# Altium PCB iMX6 Rex Development Baseboard V1I1_PCB.PcbDoc (part 1 of 6) (continued)
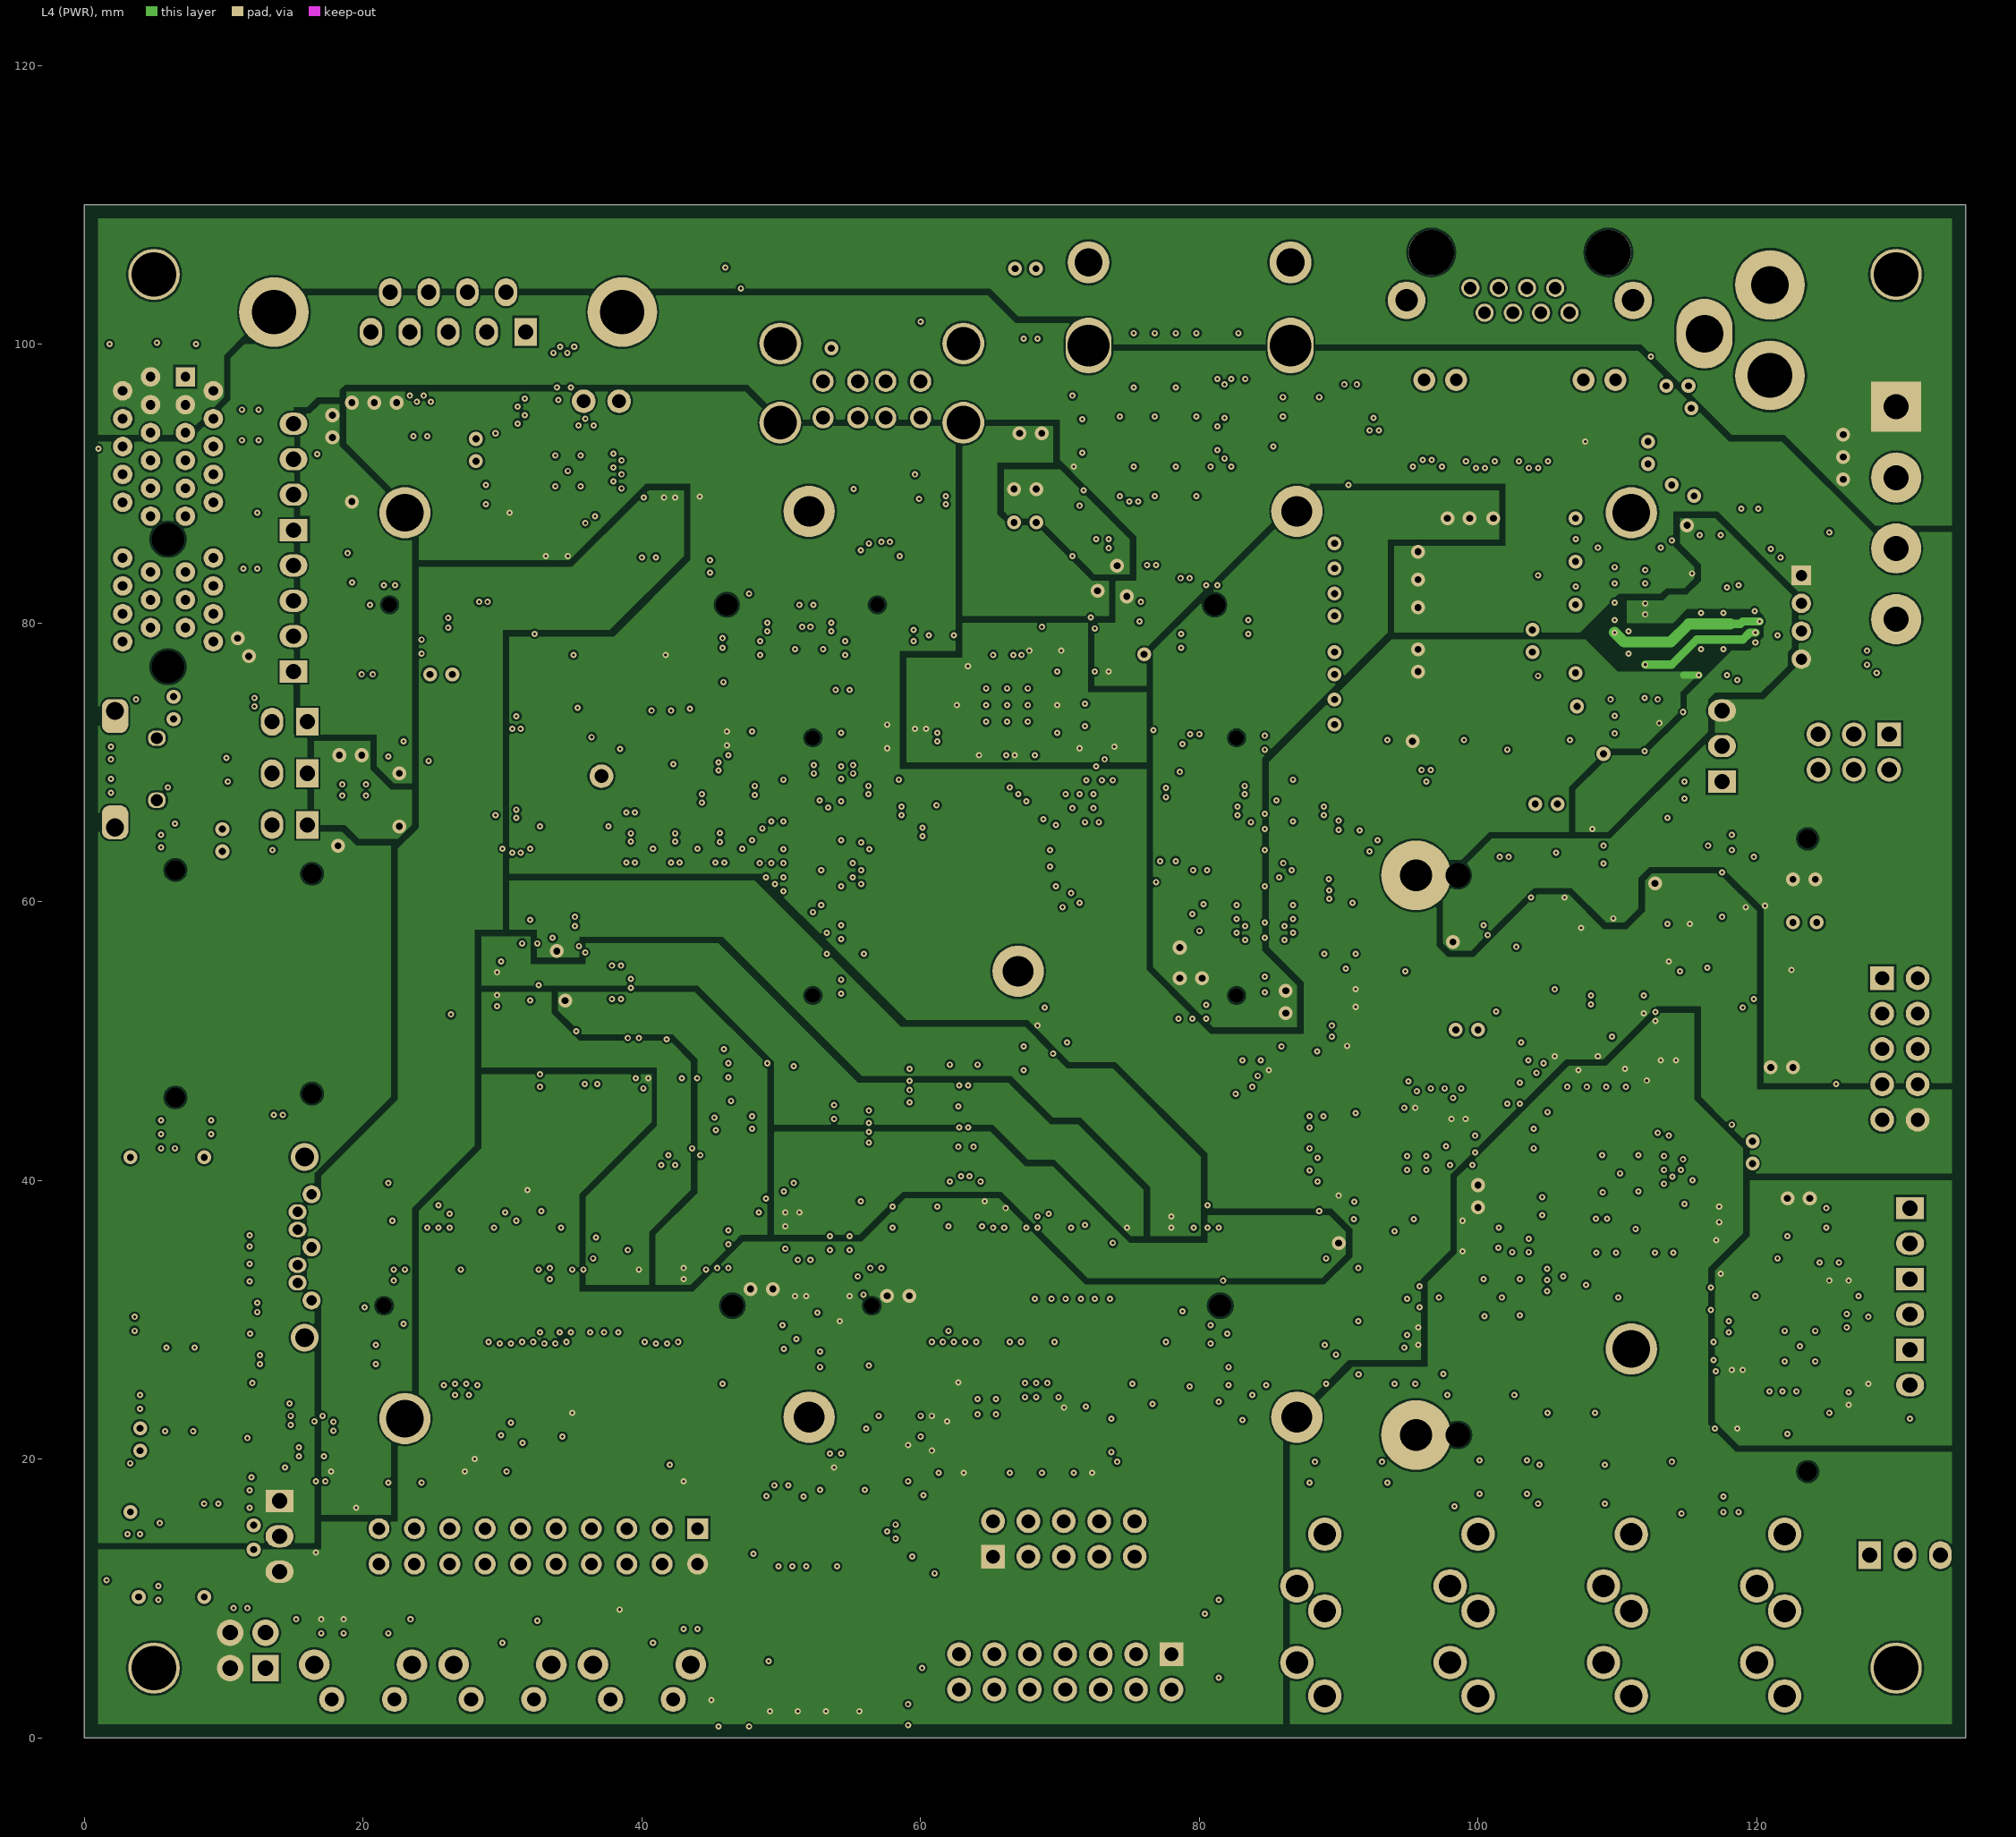
[diagram p4: L4 (PWR)]
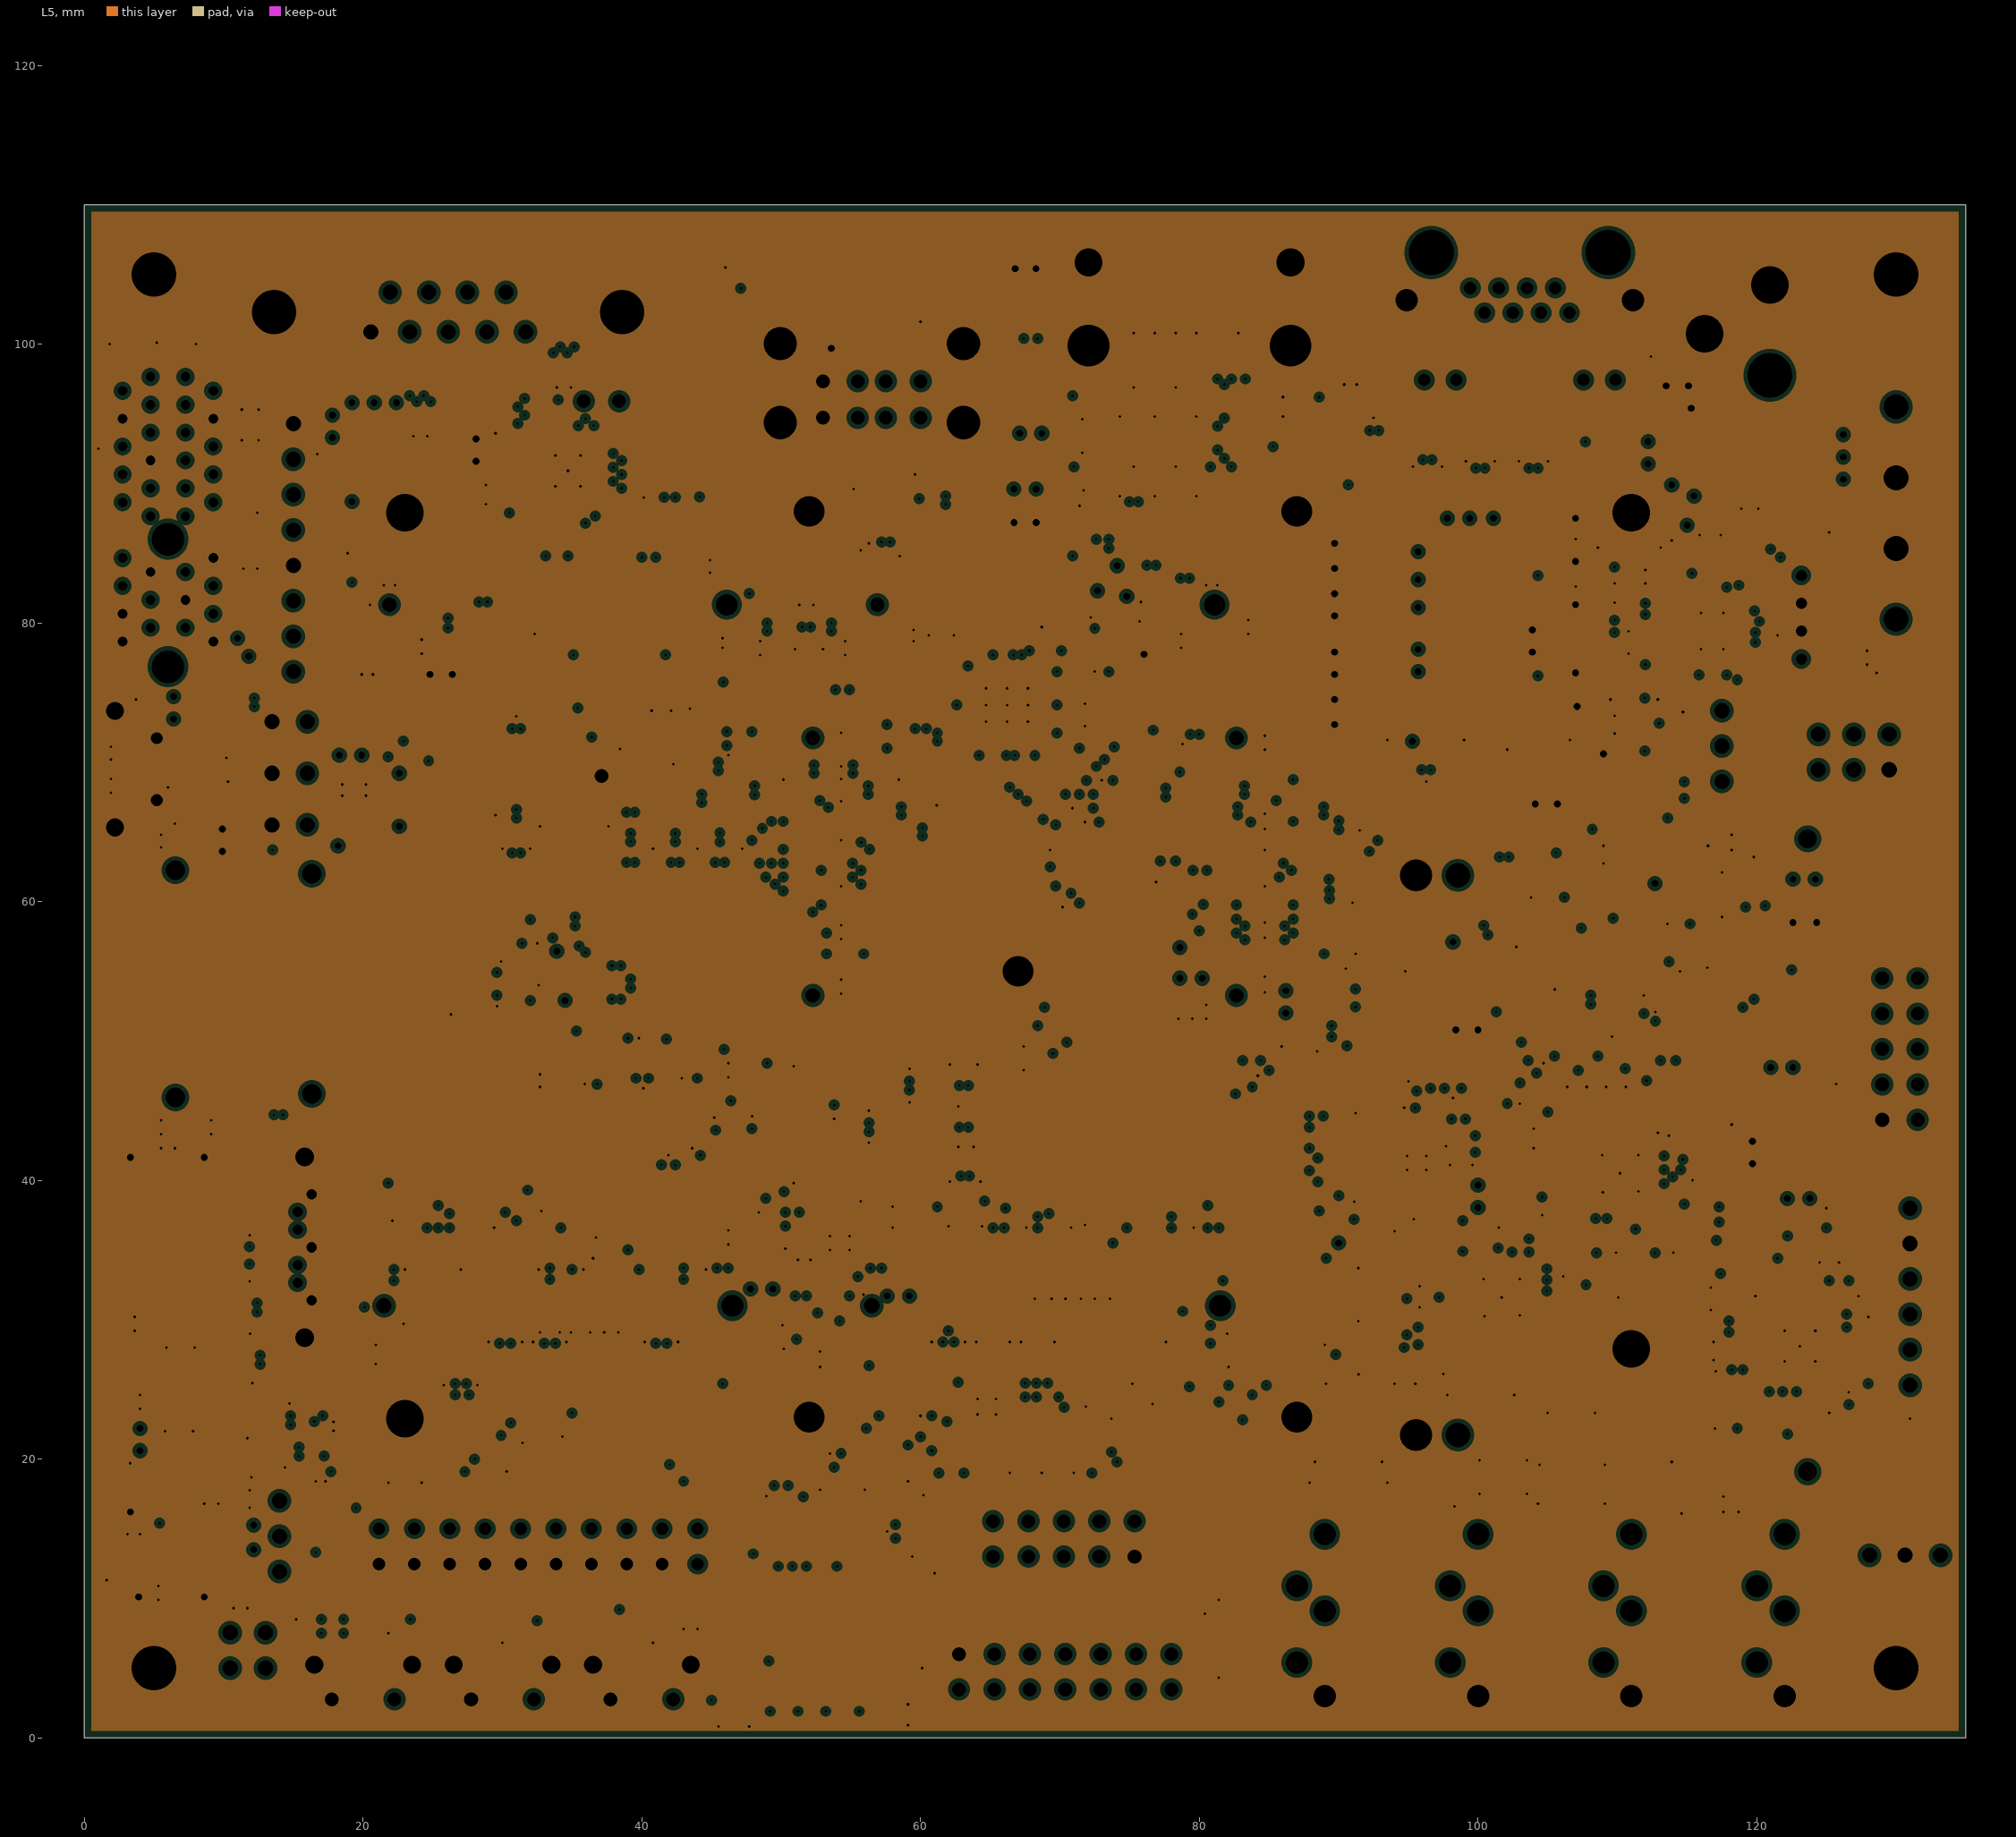
[diagram p5: L5, clearances drawn from the general rule]

## Layer stack, top to bottom
Top Solder: solder mask 0.0102, Solder Resist, Dk 3.5
L1: signal copper 0.018
Dielectric1: core 0.1725, DE 104 ML, Dk 4.4
L2: plane copper 0.018, net GND
Dielectric4: prepreg 0.196, DE 104 ML, Dk 4.4
L3: signal copper 0.018
Dielectric2: core 0.697, DE 104 ML, Dk 4.4
L4 (PWR): signal copper 0.018
Dielectric3: prepreg 0.196, DE 104 ML, Dk 4.4
L5: plane copper 0.018, net GND
Dielectric5: core 0.1725, DE 104 ML, Dk 4.4
L6: signal copper 0.018
Bottom Solder: solder mask 0.0102, Solder Resist, Dk 3.5

## Board outline
0,110 0,0 135,0 135,110 0,110

## Design rules (kind name [scope] priority, off if disabled: settings)
Clearance "Poly PWR to Via" [IsRegion AND OnLayer('L4 (PWR)') vs IsVia] p1: gap=0.15
Clearance "Poly to Poly" [IsRegion AND OnLayer('L4 (PWR)') vs IsRegion] p2: gap=0.4
Clearance [All] p3: gap=0.15
ComponentClearance "MH5 to FID4" [All] p1: gap=0 collisioncheckmode=3 verticalgap=0 showdistances=FALSE
ComponentClearance "DB9 to FID1" [InComponent('J30') vs InComponent('FID1')] p2: gap=0 collisioncheckmode=3 verticalgap=0 showdistances=FALSE
ComponentClearance "3D model Module" [InComponent('M1') vs InComponent('J1') or InComponent('J2')] p3: gap=0 collisioncheckmode=3 verticalgap=0 showdistances=FALSE
ComponentClearance "3D model mPCIe 1 to Battery" [InComponent('CR1') vs InComponent('J32')] p4: gap=0 collisioncheckmode=3 verticalgap=0 showdistances=FALSE
ComponentClearance "CFAST locker" [InComponent('CFAST1') vs InComponent('J15')] p5: gap=0 collisioncheckmode=3 verticalgap=0 showdistances=FALSE
ComponentClearance "3D model mPCIe 2" [InComponent('CR2') vs InComponent('J9') or InComponent('J8')] p6: gap=0 collisioncheckmode=3 verticalgap=0 showdistances=FALSE
ComponentClearance "3D model mPCIe 1" [InComponent('CR1') vs InComponent('J4') or InComponent('J6')] p7: gap=0 collisioncheckmode=3 verticalgap=0 showdistances=FALSE
ComponentClearance "res SATA_TX_P" [InComponent('R42') vs InComponent('R43')] p8: gap=0 collisioncheckmode=3 verticalgap=0.254 showdistances=FALSE
ComponentClearance "res SATA_TX_N" [InComponent('R40') vs InComponent('R41')] p9: gap=0 collisioncheckmode=3 verticalgap=0.254 showdistances=FALSE
ComponentClearance "res SATA_RX_P" [InComponent('R38') vs InComponent('R39')] p10: gap=0 collisioncheckmode=3 verticalgap=0.254 showdistances=FALSE
ComponentClearance "res SATA_RX_N" [InComponent('R36') vs InComponent('R37')] p11: gap=0 collisioncheckmode=3 verticalgap=0.254 showdistances=FALSE
ComponentClearance "res USB1_P" [InComponent('R68') vs InComponent('R69')] p12: gap=0 collisioncheckmode=3 verticalgap=0.254 showdistances=FALSE
ComponentClearance "res USB1_N" [InComponent('R64') vs InComponent('R66')] p13: gap=0 collisioncheckmode=3 verticalgap=0.254 showdistances=FALSE
ComponentClearance "res USB0_P" [InComponent('R65') vs InComponent('R67')] p14: gap=0 collisioncheckmode=3 verticalgap=0.254 showdistances=FALSE
ComponentClearance "res USB0_N" [InComponent('R62') vs InComponent('R63')] p15: gap=0 collisioncheckmode=3 verticalgap=0.254 showdistances=FALSE
ComponentClearance "res PCIE_TX_P" [InComponent('R14') vs InComponent('R16')] p16: gap=0 collisioncheckmode=3 verticalgap=0.254 showdistances=FALSE
ComponentClearance "res PCIE_TX_N" [InComponent('R10') vs InComponent('R12')] p17: gap=0 collisioncheckmode=3 verticalgap=0.254 showdistances=FALSE
ComponentClearance "res PCIE_RX_P" [InComponent('R8') vs InComponent('R9')] p18: gap=0 collisioncheckmode=3 verticalgap=0.254 showdistances=FALSE
ComponentClearance "res PCIE_RX_N" [InComponent('R5') vs InComponent('R7')] p19: gap=0 collisioncheckmode=3 verticalgap=0.254 showdistances=FALSE
ComponentClearance "res CLK_P" [InComponent('R3') vs InComponent('R4')] p20: gap=0 collisioncheckmode=3 verticalgap=0.254 showdistances=FALSE
ComponentClearance "res CLK_N" [InComponent('R2') vs InComponent('R1')] p21: gap=0 collisioncheckmode=3 verticalgap=0.254 showdistances=FALSE
ComponentClearance [All] p22: gap=0.2 collisioncheckmode=3 verticalgap=0.2 showdistances=FALSE
DiffPairsRouting DiffPair_DIFF100DiffPairsRouting [InDifferentialPairClass('DIFF100')] p1: maxlimit=0.501 minlimit=0.399 mostfreqgap=0.5 toplayer_maxgap=0.401 toplayer_prefgap=0.4 toplayer_minwidth=0.25 toplayer_maxwidth=0.25 toplayer_prefwidth=0.25 midlayer1_mingap=0.499 midlayer1_minwidth=0.2 midlayer1_maxwidth=0.2 midlayer1_prefwidth=0.2 midlayer2_mingap=0.4 midlayer2_maxgap=0.4 midlayer2_prefgap=0.4 midlayer2_minwidth=0.25 midlayer2_maxwidth=0.25 midlayer2_prefwidth=0.25 bottomlayer_maxgap=0.401 bottomlayer_prefgap=0.4 bottomlayer_minwidth=0.25 bottomlayer_maxwidth=0.25 bottomlayer_prefwidth=0.25 maxuncoupledlength=18.7
DiffPairsRouting DiffPair_DIFF90DiffPairsRouting [InDifferentialPairClass('DIFF90')] p2: maxlimit=0.251 minlimit=0.199 mostfreqgap=0.25 toplayer_maxgap=0.201 toplayer_prefgap=0.2 toplayer_minwidth=0.25 toplayer_maxwidth=0.25 toplayer_prefwidth=0.25 midlayer1_mingap=0.249 midlayer1_minwidth=0.2 midlayer1_maxwidth=0.2 midlayer1_prefwidth=0.2 midlayer2_mingap=0.2 midlayer2_maxgap=0.2 midlayer2_prefgap=0.2 midlayer2_minwidth=0.25 midlayer2_maxwidth=0.25 midlayer2_prefwidth=0.25 bottomlayer_maxgap=0.201 bottomlayer_prefgap=0.2 bottomlayer_minwidth=0.25 bottomlayer_maxwidth=0.25 bottomlayer_prefwidth=0.25 maxuncoupledlength=8.1
DiffPairsRouting [All] p3: maxlimit=0.2 minlimit=0.2 mostfreqgap=0.2 toplayer_minwidth=0.381 toplayer_maxwidth=0.381 toplayer_prefwidth=0.381 midlayer1_minwidth=0.381 midlayer1_maxwidth=0.381 midlayer1_prefwidth=0.381 midlayer2_minwidth=0.381 midlayer2_maxwidth=0.381 midlayer2_prefwidth=0.381 bottomlayer_minwidth=0.381 bottomlayer_maxwidth=0.381 bottomlayer_prefwidth=0.381 maxuncoupledlength=12.7
HoleSize [All] p1: absolutevalues=TRUE maxlimit=10 minlimit=0.2 maxpercent=80.000 minpercent=20.000
MatchedLengths DiffPair_DIFF100MatchedLengths [InDifferentialPairClass('DIFF100')] p1: tolerance=0.127 checknetsindiffpair=TRUE checkdiffpairvsdiffpair=FALSE checkothers=FALSE
MatchedLengths DiffPair_DIFF90MatchedLengths [InDifferentialPairClass('DIFF90')] p2: tolerance=0.127 checknetsindiffpair=TRUE checkdiffpairvsdiffpair=FALSE checkothers=FALSE
MinimumSolderMaskSliver [All] p1: minsoldermaskwidth=0.1
PlaneClearance [All] p1: clearance=0.3
PlaneConnect "GND to PAD" [(InNet('GND') and IsPad)] p1: planeconnectstyle=Relief reliefexpansion=0.3 reliefentries=4 reliefconductorwidth=0.5 reliefairgap=0.2
PlaneConnect [All] p2: planeconnectstyle=Direct reliefexpansion=0.2 reliefentries=4 reliefconductorwidth=0.3 reliefairgap=0.2
PolygonConnect [All] p1: connectstyle=Direct reliefconductorwidth=0.254 reliefentries=4 polygonreliefangle="90 Angle" airgapwidth=0.254
RoutingVias [All] p1: holewidth=0.2 width=0.45 viastyle="Through Hole" minholewidth=0.2 minwidth=0.45 maxholewidth=0.5 maxwidth=1
ShortCircuit "J15-H3 to J15-H4" [(Name = 'J15-H3') vs (Name = 'J15-H4')] p1: allowed=TRUE
ShortCircuit "J15-H1 to J15-H2" [(Name = 'J15-H1') vs (Name = 'J15-H2')] p2: allowed=TRUE
ShortCircuit [All] p3: allowed=FALSE
SilkToSilkClearance [All] p1: silktosilkclearance=0.1
SilkToSolderMaskClearance SilkscreenOverComponentPads [IsPad] p1: minsilkscreentomaskgap=0.1 clearancetoexposedcopper=TRUE
SolderMaskExpansion [All] p1: expansion=0.102
UnpouredPolygon [All] p1: allowunpoured=FALSE
Width DiffPair_DIFF100Width [InDifferentialPairClass('DIFF100')] p1: maxlimit=0.25 minlimit=0.2 preferedwidth=0.25 toplayer_minwidth=0.25 midlayer1_maxwidth=0.2 midlayer1_prefwidth=0.2 midlayer2_minwidth=0.25 bottomlayer_minwidth=0.25 minimp=50.000000 maximp=50.000000 favimp=50.000000
Width DiffPair_DIFF90Width [InDifferentialPairClass('DIFF90')] p2: maxlimit=0.25 minlimit=0.2 preferedwidth=0.25 toplayer_minwidth=0.25 midlayer1_maxwidth=0.2 midlayer1_prefwidth=0.2 midlayer2_minwidth=0.25 bottomlayer_minwidth=0.25 minimp=50.000000 maximp=50.000000 favimp=50.000000
Width "Width Power" [InNet('+VIN') OR InNet('+5V') OR InNet('+3V3') OR InNet('+1V5') OR InNet('+12V_ATX')] p3: maxlimit=4 minlimit=0.2 preferedwidth=0.4
Width "Width Ground" [InNet('GND')] p4: maxlimit=40 minlimit=0.2 preferedwidth=0.4
Width [All] p5: maxlimit=2 minlimit=0.2 preferedwidth=0.25
20 further rules are at their usual default settings.

## Classes and differential pairs
differential pair class DIFF100: CLK1 HDMI_CLK HDMI_D0 HDMI_D1 HDMI_D2 LVDS0_CLK LVDS0_TX0 LVDS0_TX1 LVDS0_TX2 LVDS0_TX3 MPCIE1_CLK1 MX0 MX1 MX2 MX3 PCIE_CON_CLK1 SATA_CFAST_RX SATA_CFAST_TX SATA_CON_RX SATA_CON_TX SATA_RX SATA_TX TRD0 TRD1 TRD2 TRD3
differential pair class DIFF90: MPCIE1_RX MPCIE1_TX PCIE_CON_RX PCIE_CON_TX PCIE_RX PCIE_TX USB0 USB1 USB1_CON USB1_L USB_MPCIE1 USB_MPCIE1_CON USB_MPCIE2 USB_MPCIE2_CON USB_OTG USB_OTG_CON USB_UP USBDN1 USBDN1_CON USBDN2 USBDN2_CON USBDN3 USBDN3_CON
net class SPI2: CSPI2_CLK CSPI2_CS0 CSPI2_MISO CSPI2_MOSI
net class SIM2: +MPCIE2_SIM_PWR +MPCIE2_SIM_VPP MPCIE2_SIM_CLK MPCIE2_SIM_DATA MPCIE2_SIM_RST
net class SIM1: +MPCIE1_SIM_PWR +MPCIE1_SIM_VPP MPCIE1_SIM_CLK MPCIE1_SIM_DATA MPCIE1_SIM_RST
net class I2C2: I2C2_SCL I2C2_SDA
net class Audio2: AUD2_I2C2_SCL AUD2_I2C2_SDA AUD2_IRQ MPCIE2_12M_CLK MPCIE2_PCM_CLK MPCIE2_PCM_RX MPCIE2_PCM_SYNC MPCIE2_PCM_TX
net class USB1: USB1_CON_N USB1_CON_P USB1_L_N USB1_L_P USB1_N USB1_P USB_MPCIE1_CON_N USB_MPCIE1_CON_P USB_MPCIE1_N USB_MPCIE1_P
net class USB0: USB0_ID USB0_N USB0_P USB_MPCIE2_CON_N USB_MPCIE2_CON_P USB_MPCIE2_N USB_MPCIE2_P USB_OTG_CON_N USB_OTG_CON_P USB_OTG_N USB_OTG_P USB_UP_N USB_UP_P USBDN1_CON_N USBDN1_CON_P USBDN1_N USBDN1_OC USBDN1_P USBDN1_PWR_EN USBDN2_CON_N USBDN2_CON_P USBDN2_N USBDN2_OC USBDN2_P USBDN2_PWR_EN USBDN3_CON_N USBDN3_CON_P USBDN3_N USBDN3_OC USBDN3_P USBDN3_PWR_EN
net class UART1: RS232_CTS_CON RS232_CTS_L RS232_DCD_CON RS232_DCD_L RS232_DSR_CON RS232_DSR_L RS232_DTR_CON RS232_DTR_L RS232_RI_CON RS232_RI_L RS232_RTS_CON RS232_RTS_L RS232_RXD_CON RS232_RXD_L RS232_TXD_CON RS232_TXD_L UART1_CTS UART1_DCD UART1_DSR UART1_DTR UART1_RI UART1_RTS UART1_RXD UART1_TXD
net class SATA: SATA_CFAST_RX_N SATA_CFAST_RX_P SATA_CFAST_TX_N SATA_CFAST_TX_P SATA_CON_RX_N SATA_CON_RX_P SATA_CON_TX_N SATA_CON_TX_P SATA_RX_N SATA_RX_P SATA_TX_N SATA_TX_P
net class PHY: TRD0_N TRD0_P TRD1_N TRD1_P TRD2_N TRD2_P TRD3_N TRD3_P
net class PCIE: CLK1_N CLK1_P MPCIE1_CLK1_N MPCIE1_CLK1_P MPCIE1_RX_N MPCIE1_RX_P MPCIE1_TX_N MPCIE1_TX_P PCIE_CON_CLK1_N PCIE_CON_CLK1_P PCIE_CON_RX_N PCIE_CON_RX_P PCIE_CON_TX_N PCIE_CON_TX_P PCIE_RX_N PCIE_RX_P PCIE_TX_N PCIE_TX_P
net class LVDS: LVDS0_CLK_N LVDS0_CLK_P LVDS0_TX0_N LVDS0_TX0_P LVDS0_TX1_N LVDS0_TX1_P LVDS0_TX2_N LVDS0_TX2_P LVDS0_TX3_N LVDS0_TX3_P
net class HDMI: HDMI_CEC_CON HDMI_CEC_IN HDMI_CLK_N HDMI_CLK_P HDMI_D0_N HDMI_D0_P HDMI_D1_N HDMI_D1_P HDMI_D2_N HDMI_D2_P HDMI_HPD HDMI_HPD_CON HDMI_SCL_CON HDMI_SCL_CON_R HDMI_SDA_CON HDMI_SDA_CON_R I2C2_SCL I2C2_SDA
net class DIFF100: CLK1_N CLK1_P HDMI_CLK_N HDMI_CLK_P HDMI_D0_N HDMI_D0_P HDMI_D1_N HDMI_D1_P HDMI_D2_N HDMI_D2_P LVDS0_CLK_N LVDS0_CLK_P LVDS0_TX0_N LVDS0_TX0_P LVDS0_TX1_N LVDS0_TX1_P LVDS0_TX2_N LVDS0_TX2_P LVDS0_TX3_N LVDS0_TX3_P MPCIE1_CLK1_N MPCIE1_CLK1_P MX0_N MX0_P MX1_N MX1_P MX2_N MX2_P MX3_N MX3_P PCIE_CON_CLK1_N PCIE_CON_CLK1_P SATA_CFAST_RX_N SATA_CFAST_RX_P SATA_CFAST_TX_N SATA_CFAST_TX_P SATA_CON_RX_N SATA_CON_RX_P SATA_CON_TX_N SATA_CON_TX_P SATA_RX_N SATA_RX_P SATA_TX_N SATA_TX_P TRD0_N TRD0_P TRD1_N TRD1_P TRD2_N TRD2_P TRD3_N TRD3_P
net class DIFF90: MPCIE1_RX_N MPCIE1_RX_P MPCIE1_TX_N MPCIE1_TX_P PCIE_CON_RX_N PCIE_CON_RX_P PCIE_CON_TX_N PCIE_CON_TX_P PCIE_RX_N PCIE_RX_P PCIE_TX_N PCIE_TX_P USB0_N USB0_P USB1_CON_N USB1_CON_P USB1_L_N USB1_L_P USB1_N USB1_P USB_MPCIE1_CON_N USB_MPCIE1_CON_P USB_MPCIE1_N USB_MPCIE1_P USB_MPCIE2_CON_N USB_MPCIE2_CON_P USB_MPCIE2_N USB_MPCIE2_P USB_OTG_CON_N USB_OTG_CON_P USB_OTG_N USB_OTG_P USB_UP_N USB_UP_P USBDN1_CON_N USBDN1_CON_P USBDN1_N USBDN1_P USBDN2_CON_N USBDN2_CON_P USBDN2_N USBDN2_P USBDN3_CON_N USBDN3_CON_P USBDN3_N USBDN3_P
component class "[17] - PWR IN, LEDS, BUTTONS, MECH": C196 C197 C198 C199 C200 C208 D16 D17 D18 D20 FID1 FID2 FID3 FID4 FID5 FID6 FID7 FID8 J37 J38 M1 MH5 MH6 MH7 MH8 MH9 MH10 MH11 MH12 MH13 PCB1 PCB2 Q4 Q5 R140 R141 R142 R143 R144 R145 R146 R147 R148 R149 R183 SW1 SW2 SW3 TP10
component class "[16] - POWERS 5V, 3V3": C179 C180 C181 C182 C183 C184 C185 C186 C187 C188 C189 C190 C191 C192 C193 C194 C195 C207 L8 L9 Q2 Q3 R123 R124 R125 R126 R127 R128 R129 R130 R131 R132 R133 R134 R135 R136 R137 R138 R139 R154 TP2 TP3 U15 U22
component class "[15] - MISC, JTAG, HEADERS": C156 C171 C172 C173 C174 C175 C176 C177 C178 C214 J33 J34 J35 J36 JP2 R117 R118 R119 R120 R121 R122 R175 R176 R177 R178 R179 R180 R181 R182 R187 U20 U21 U24
component class "[14] - RTC, EEPROM, GPIO, TOUCH SCREEN": BAT1 C150 C151 C152 C153 C154 C155 C167 C168 C169 C170 D15 D21 D22 J32 J40 Q7 Q8 Q9 R110 R111 R112 R113 R114 R115 R160 R161 R171 R172 R173 R174 R185 R186 U2 U17 U18 U19 Y3
component class "[13] - UARTS": C159 C160 C161 C162 C163 C164 C165 C166 FB20 FB21 J30 J31 Q6 R108 R109 U16
component class "[12] - SD": C157 C158 D14 J29 J39 JP3 Q1 R104 R105 R106 R107
component class "[11] - AUDIO1": C120 C121 C122 C123 C124 C125 C126 C127 C128 C129 C130 C131 C132 C133 C134 C135 C136 C137 C138 C139 C140 C141 C142 C143 C144 C145 C146 C147 C148 C149 FB8 FB9 FB10 FB11 FB12 FB13 FB14 FB15 FB16 FB17 FB18 FB26 J25 J26 J27 J28 R24 R88 R89 R90 R91 R92 R93 R94 R95 R96 R97 R98 R99 R100 R101 R102 U14
component class "[10] - ETHERNET": C114 C115 C116 C117 C118 C119 J24 R84 R85 R86 R87 T1
component class "[09] - USB": C85 C86 C87 C88 C89 C90 C91 C92 C93 C94 C95 C96 C97 C98 C99 C100 C101 C102 C103 C104 C105 C107 C109 C110 C111 C112 C113 D8 D9 D10 D11 D12 D13 D19 FB6 FB7 J20 J21 J22 J23 JP1 L3 L4 L5 L6 L7 LINK3 R23 R62 R63 R64 R65 R66 R67 R68 R69 R70 R71 R72 R74 R75 R76 R77 R78 R79 R80 R81 R82 R83 R169 R170 U11 U12 U13 Y2
component class "[08] - LVDS": C75 C76 C77 C78 C79 C80 C81 C82 C83 C84 C213 J17 J18 J19 J41 LINK1 LINK2 R51 R52 R53 R54 R55 R56 R57 R58 R59 R60 R61 R157 R158 R165 R166 R167 R168 U8 U9 U10 U23
component class "[07] - HDMI": C71 C72 C73 C74 C108 D7 J16 R46 R47 R48 R49 R50 R162 R163 R164 U7
component class "[06] - SATA, CFAST": C69 C70 CFAST1 J14 J15 R36 R37 R38 R39 R40 R41 R42 R43 R44 R45
component class "[05] - PCIE MINI 2, AUDIO2": C24 C25 C26 C27 C28 C29 C30 C31 C32 C33 C34 C35 C36 C37 C38 C39 C40 C41 C42 C43 C44 C45 C46 C47 C48 C49 C50 C51 C52 C53 C54 C55 C56 C57 C58 C59 C60 C61 C62 C63 C64 C65 C66 C67 C68 C106 C205 C206 C209 C210 C211 C212 C217 C218 CR2 D5 D6 FB2 FB3 FB4 FB5 FB19 FB23 FB24 FB25 J7 J8 J9 J10 J11 J12 J13 L2 R17 R25 R26 R27 R28 R29 R30 R31 R32 R33 R34 R35 R116 R150 R155 R156 TP4 TP5 U3 U4 U5 U6 Y1
component class "[04] - PCIE MINI 1, PCIE": C5 C6 C7 C8 C9 C10 C11 C12 C13 C14 C15 C16 C17 C18 C19 C20 C21 C22 C23 C201 C202 C203 C204 C215 C216 CR1 D1 D2 D3 D4 FB1 FB22 J3 J4 J5 J6 L1 R1 R2 R3 R4 R5 R6 R7 R8 R9 R10 R11 R12 R13 R14 R15 R16 R18 R19 R20 R21 R22 R73 R151 R152 R153 R184 TP1 U1
component class "[03] - CONNECTORS": C1 C2 C3 C4 J1 J2 MH1 MH2 MH3 MH4 R159 TP6 TP7 TP8 TP9
net class Audio1: AUD3_CLK AUD3_RXD AUD3_TXC AUD3_TXD AUD3_TXFS I2C1_SCL I2C1_SDA
net class JTAG: JTAG_DACK JTAG_DE JTAG_NSRST JTAG_NTRST JTAG_RTCK JTAG_TCK JTAG_TDI JTAG_TDO JTAG_TMS JTAG_VREF
net class UART2: UART2_CTS UART2_RTS UART2_RXD UART2_TXD
net class uSD1: SD3_CD SD3_CLK SD3_CMD SD3_DATA0 SD3_DATA1 SD3_DATA2 SD3_DATA3 SD3_WP
net class uSD2: SD2_ACT SD2_CD SD2_CLK SD2_CMD SD2_DATA0 SD2_DATA1 SD2_DATA2 SD2_DATA3 SD2_DATA4 SD2_DATA5 SD2_DATA6 SD2_DATA7 SD2_WP
net class MX: MX0_N MX0_P MX1_N MX1_P MX2_N MX2_P MX3_N MX3_P
differential pair USBDN3: +USBDN3_P -USBDN3_N
differential pair USBDN3_CON: +USBDN3_CON_P -USBDN3_CON_N
differential pair USBDN2: +USBDN2_P -USBDN2_N
differential pair USBDN2_CON: +USBDN2_CON_P -USBDN2_CON_N
differential pair USBDN1: +USBDN1_P -USBDN1_N
differential pair USBDN1_CON: +USBDN1_CON_P -USBDN1_CON_N
differential pair USB_UP: +USB_UP_P -USB_UP_N
differential pair USB_OTG: +USB_OTG_P -USB_OTG_N
differential pair USB_OTG_CON: +USB_OTG_CON_P -USB_OTG_CON_N
differential pair USB_MPCIE2: +USB_MPCIE2_P -USB_MPCIE2_N
differential pair USB_MPCIE2_CON: +USB_MPCIE2_CON_P -USB_MPCIE2_CON_N
differential pair USB_MPCIE1: +USB_MPCIE1_P -USB_MPCIE1_N
differential pair USB_MPCIE1_CON: +USB_MPCIE1_CON_P -USB_MPCIE1_CON_N
differential pair USB1: +USB1_P -USB1_N
differential pair USB1_L: +USB1_L_P -USB1_L_N
differential pair USB1_CON: +USB1_CON_P -USB1_CON_N
differential pair USB0: +USB0_P -USB0_N
differential pair TRD3: +TRD3_P -TRD3_N
differential pair TRD2: +TRD2_P -TRD2_N
differential pair TRD1: +TRD1_P -TRD1_N
differential pair TRD0: +TRD0_P -TRD0_N
differential pair SATA_TX: +SATA_TX_P -SATA_TX_N
differential pair SATA_RX: +SATA_RX_P -SATA_RX_N
differential pair SATA_CON_TX: +SATA_CON_TX_P -SATA_CON_TX_N
differential pair SATA_CON_RX: +SATA_CON_RX_P -SATA_CON_RX_N
differential pair SATA_CFAST_TX: +SATA_CFAST_TX_P -SATA_CFAST_TX_N
differential pair SATA_CFAST_RX: +SATA_CFAST_RX_P -SATA_CFAST_RX_N
differential pair PCIE_TX: +PCIE_TX_P -PCIE_TX_N
differential pair PCIE_RX: +PCIE_RX_P -PCIE_RX_N
differential pair PCIE_CON_TX: +PCIE_CON_TX_P -PCIE_CON_TX_N
differential pair PCIE_CON_RX: +PCIE_CON_RX_P -PCIE_CON_RX_N
differential pair PCIE_CON_CLK1: +PCIE_CON_CLK1_P -PCIE_CON_CLK1_N
differential pair MPCIE1_TX: +MPCIE1_TX_P -MPCIE1_TX_N
differential pair MPCIE1_RX: +MPCIE1_RX_P -MPCIE1_RX_N
differential pair MPCIE1_CLK1: +MPCIE1_CLK1_P -MPCIE1_CLK1_N
differential pair LVDS0_TX3: +LVDS0_TX3_P -LVDS0_TX3_N
differential pair LVDS0_TX2: +LVDS0_TX2_P -LVDS0_TX2_N
differential pair LVDS0_TX1: +LVDS0_TX1_P -LVDS0_TX1_N
differential pair LVDS0_TX0: +LVDS0_TX0_P -LVDS0_TX0_N